# Altium PCB 400501.PcbDoc (part 2 of 4)
Units mm, origin at the board's own origin, x right, y up, seen from the top; angles counter-clockwise.
Board outline 53 x 53 mm, 4 copper layers (Top Layer, Mid-Layer 1, Mid-Layer 2, Bottom Layer), stack 1.518 mm thick; 236 components, 152 nets, 829 pads, 1158 vias.
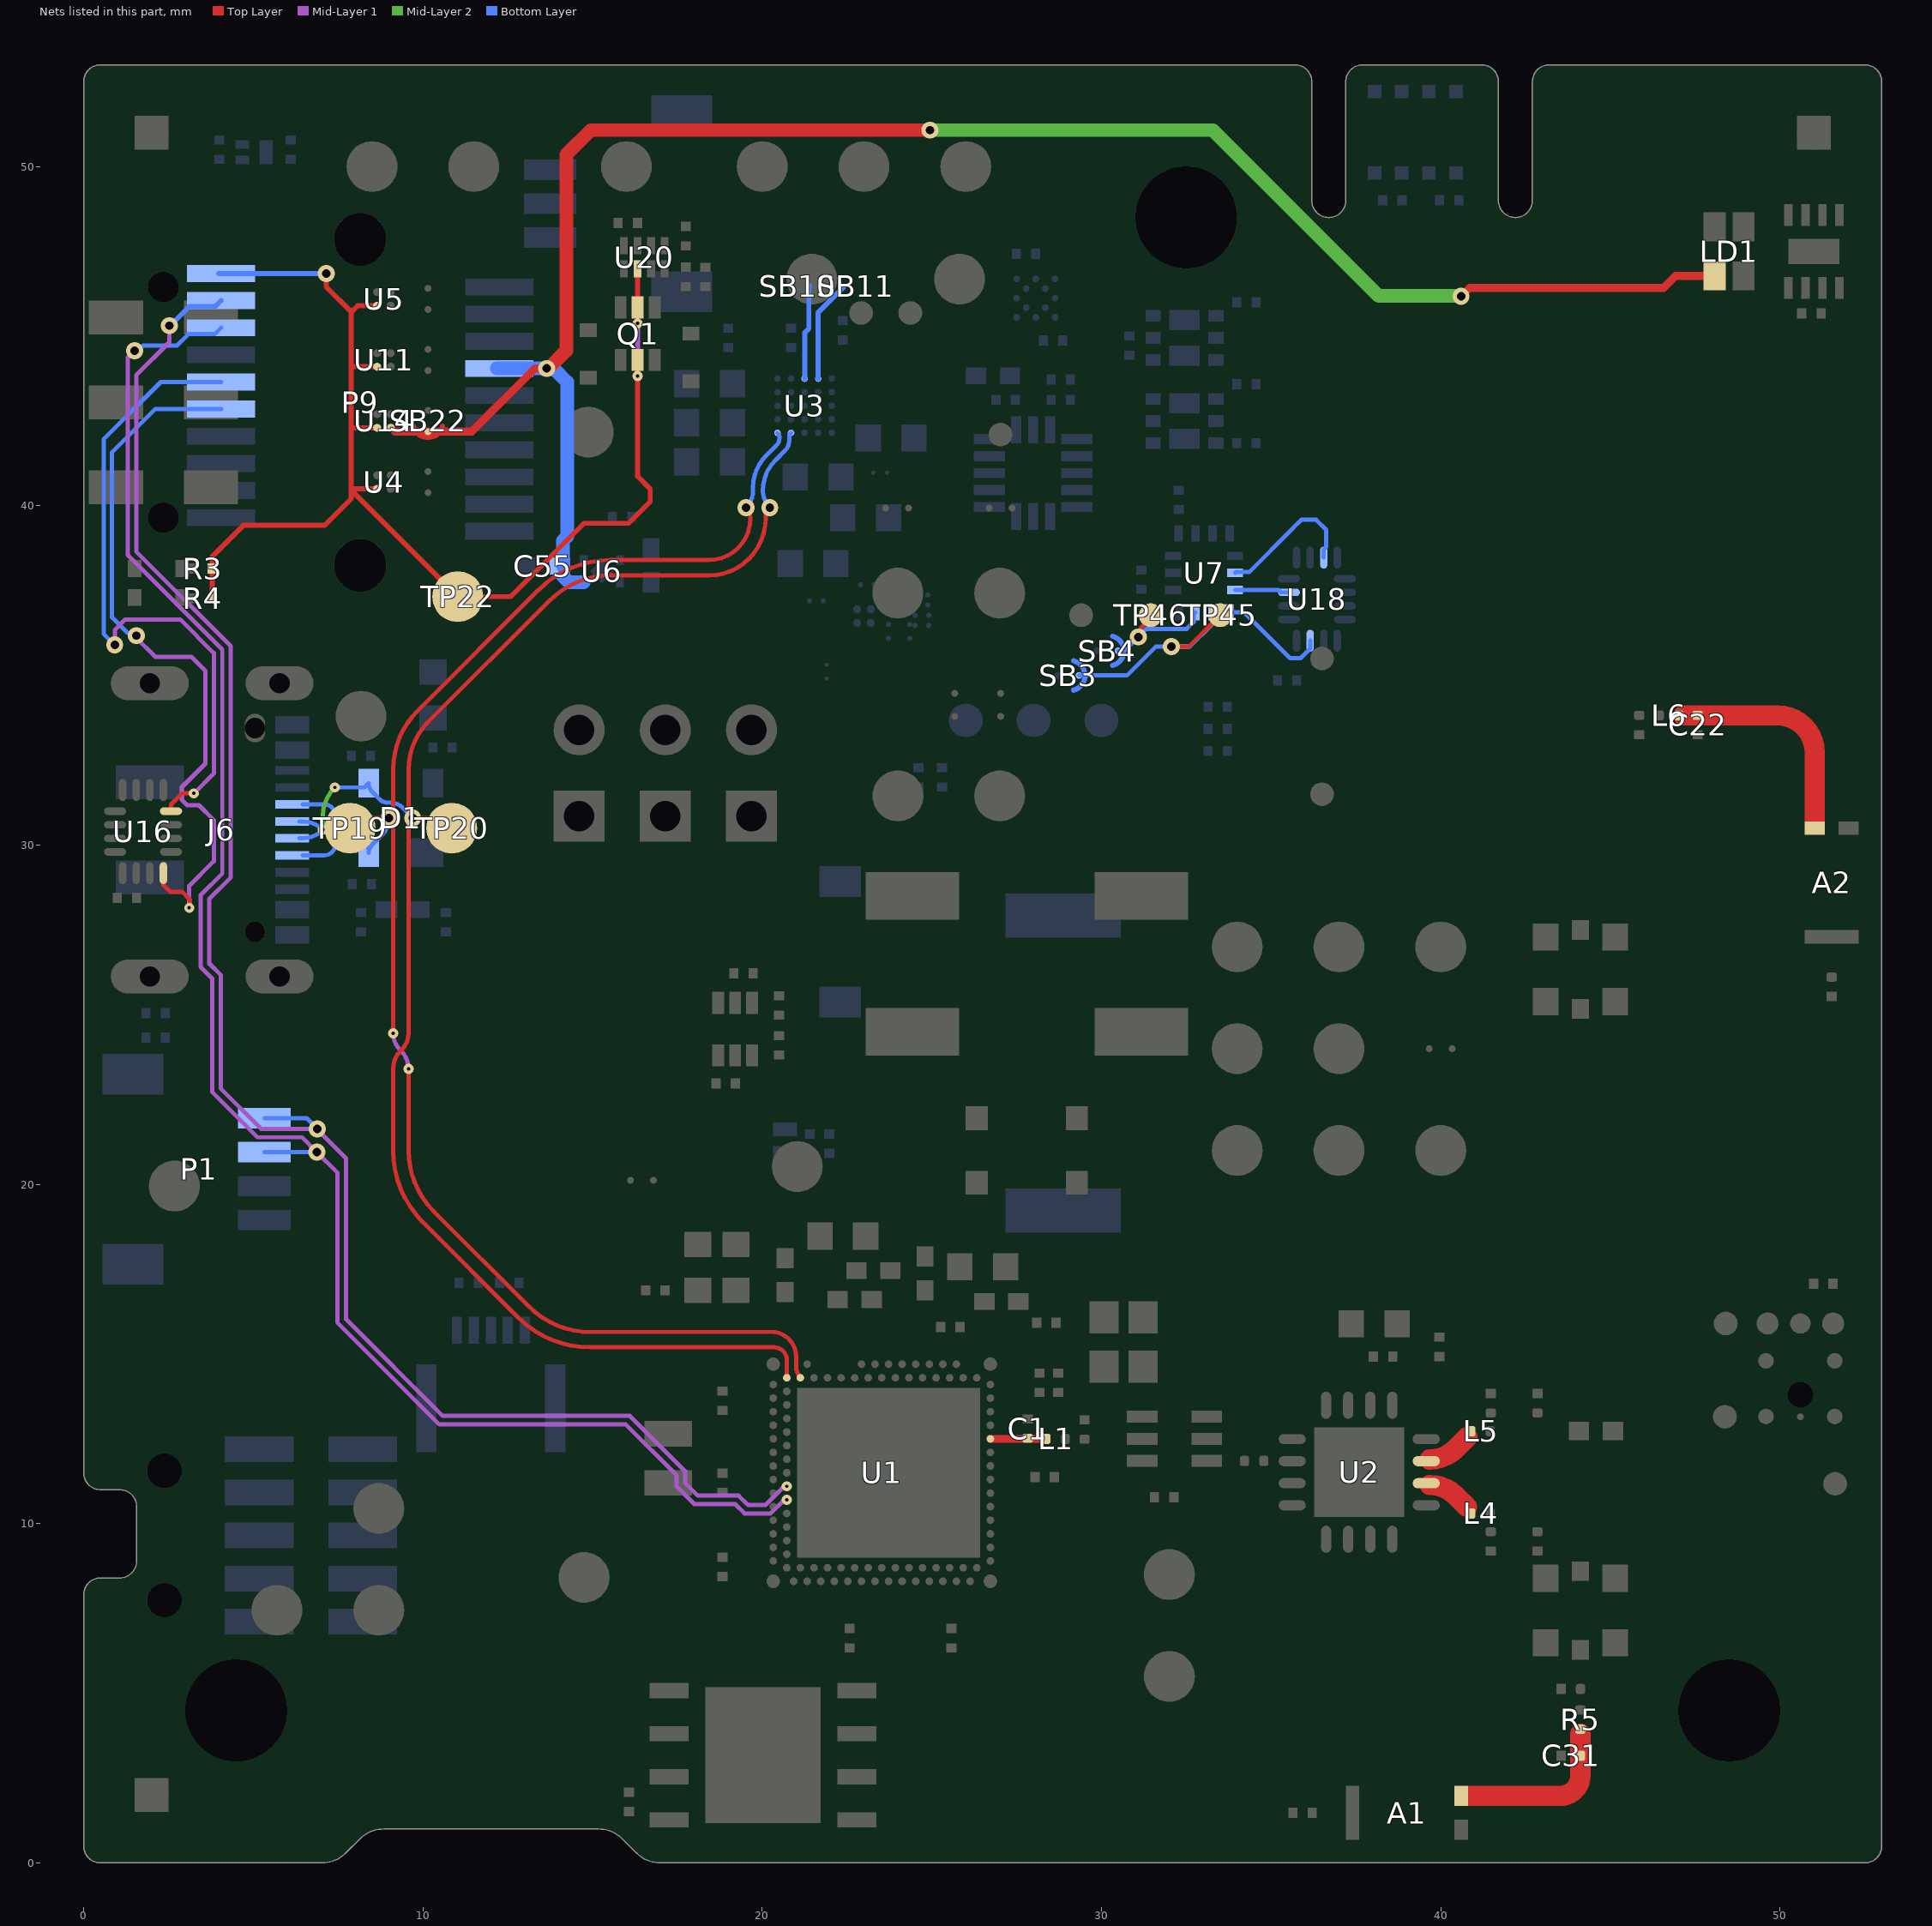
[diagram p4: the nets of this part, all layers, seen from the top]

## Part data
A1 A2: "2.4GHz Ceramic SMD Loop Antenna", Manufacturer=Taoglas, Part number IPS=N.A., Part number NEMS=100700063, Supplier Part Number 1=931-1077-1-ND, Artikkelnr Noca=N.A., Author=rsk, Component Class=Antennas, Component Status=Active, ComponentLink1Description=Datasheet, ComponentLink1URL=https://cdn3.taoglas.com/datasheets/WLA.01.pdf, ComponentLink2Description="Supplier link", ComponentLink2URL=https://www.digikey.com/product-detail/en/taoglas-limited/WLA-01/931-1077-1-ND/2332742, Footprint Doc=WLA.01, HelpURL=https://www.taoglas.com/product/wla-01-2-42-5ghz-ceramic-loop-antenna-3-21-60-5mm-linear-polarized/, LatestRevisionDate=2020-03-23, Manufacturer Part Number=WLA.01, Note=N.A., Pad Count=3, Part Number=WLA.01, Part number Norautron=N.A., PartId=100700063, Published=2020-03-23, Supplier 1=Digi-Key, Supplier 2=N.A., Supplier Part Number 2=N.A.
Bz1: library part PKMCS0909E4000-R1, "Piezo Buzzer, SMD, 9.0mm x 9.0mm x 1.9mm, 4kHz, 65dB @ 1.5V, <12.5Vp-p", Manufacturer=Murata, Part number IPS=N.A., Part number NEMS=101000026, Supplier Part Number 1=490-9647-1-ND, Artikkelnr Noca=N.A., Author=rsk, Component Class=Transducers, Component Status=Active, ComponentLink1Description=Datasheet, ComponentLink1URL=N.A., ComponentLink2Description="Supplier link", ComponentLink2URL=N.A., Footprint Doc=Buzzer_PKMCS0909, HelpURL=https://www.murata.com/en-global/products/productdetail.aspx?partno=PKMCS0909E4000-R1, LatestRevisionDate=2020-08-04, Manufacturer Part Number=PKMCS0909E4000-R1, Note="1.5 ~ 12.5V", Pad Count=2, Part Number=PKMCS0909E4000-R1, Part number Norautron=N.A., PartId=101000026, Published=2020-08-04, Supplier 1=Digi-Key, Supplier 2=Mouser, Supplier Part Number 2=81-PKMCS0909E4000-R1
C1: library part C0201-0.7p-50V-C0G-GJM0335C1HR70WB01, "Capacitor, Ceramic, C0G, ±0.05pF, 50V", Manufacturer=Murata, Manufacturer Part Number=GJM0335C1HR70WB01D, Part number IPS=N.A., Part number NEMS=100200011, Supplier Part Number 1=490-17145-1-ND, Artikkelnr Noca=N.A., Author=rsk, Component Class=Capacitors, Component Status=Active, ComponentLink1Description=Datasheet, ComponentLink1URL=https://search.murata.co.jp/Ceramy/image/img/A01X/G101/ENG/GJM0335C1HR70WB01-01.pdf, ComponentLink2Description="Supplier link", ComponentLink2URL=https://www.murata.com/en-global/products/productdetail?partno=GJM0335C1HR70WB01%23, Footprint Doc=0201, HelpURL=N.A., LatestRevisionDate=2023-03-27, Note=50V, Pad Count=2, Part Number=C0201-0.7p-50V-C0G-GJM0335C1HR70WB01, Part number Norautron=N.A., PartId=100200011, Published=2014-11-13, Supplier 1=Digi-Key, Supplier 2=Mouser, Supplier Part Number 2=81-GJM0335C1HR70WB1D
C2 C3 C5 C7 C16 C33 C54 C55: library part C0402-1µ0-25V-X5R, "Capacitor, Ceramic, X5R, ±10%, 25V", Manufacturer=Murata, Manufacturer Part Number=GRM155R61E105KA12D, Part number IPS=N.A., Part number NEMS=100200453, Supplier Part Number 1=490-10017-1-ND, Artikkelnr Noca=N.A., Author=rsk, Component Class=Capacitors, Component Status=Active, ComponentLink1Description=Datasheet, ComponentLink1URL=https://search.murata.co.jp/Ceramy/image/img/A01X/G101/ENG/GRM155R61E105KA12-01.pdf, ComponentLink2Description="Supplier link", ComponentLink2URL=https://www.murata.com/en-global/products/productdetail?partno=GRM155R61E105KA12%23, Footprint Doc=0402, HelpURL=N.A., LatestRevisionDate=2020-12-16, Note=25V, Pad Count=2, Part Number=C0402-1µ0-25V-X5R, Part number Norautron=N.A., PartId=100200453, Published=2020-12-16, Supplier 1=Digi-Key, Supplier 2=Mouser, Supplier Part Number 2=81-GRM155R61E105KA2D
C4: library part C0201-2n2-10V-X5R, "Capacitor, Ceramic, X5R, ±10%, 10V", Manufacturer=Murata, Manufacturer Part Number=GRM033R61A222KA01D, Part number IPS=N.A., Part number NEMS=100200455, Supplier Part Number 1=490-3162-1-ND, Artikkelnr Noca=N.A., Author=rsk, Component Class=Capacitors, Component Status=Active, ComponentLink1Description=Datasheet, ComponentLink1URL=https://search.murata.co.jp/Ceramy/image/img/A01X/G101/ENG/GRM033R61A222KA01-01.pdf, ComponentLink2Description="Supplier link", ComponentLink2URL=https://www.murata.com/en-global/products/productdetail?partno=GRM033R61A222KA01%23, Footprint Doc=0201, HelpURL=N.A., LatestRevisionDate=2020-12-16, Note=10V, Pad Count=2, Part Number=C0201-2n2-10V-X5R, Part number Norautron=N.A., PartId=100200455, Published=2020-12-16, Supplier 1=Digi-Key, Supplier 2=Mouser, Supplier Part Number 2=81-GRM033R61A222KA1D
C6 C8 C9 C10 C11 C12 C13 C14 C15 C19 C23 C36 C37 C38 C39 C40 C41 C42 C49 C50 C51 C52 C60: library part C0201-100n-6.3V-X5R, "Capacitor, Ceramic, X5R, ±10%, 6.3V", Manufacturer=Murata, Manufacturer Part Number=GRM033R60J104KE19D, Part number IPS=N.A., Part number NEMS=100200451, Supplier Part Number 1=490-3167-1-ND, Artikkelnr Noca=N.A., Author=rsk, Component Class=Capacitors, Component Status=Active, ComponentLink1Description=Datasheet, ComponentLink1URL=https://search.murata.co.jp/Ceramy/image/img/A01X/G101/ENG/GRM033R60J104KE19-01.pdf, ComponentLink2Description="Supplier link", ComponentLink2URL=https://www.murata.com/en-eu/products/productdetail?partno=GRM033R60J104KE19%23, Footprint Doc=0201, HelpURL=N.A., LatestRevisionDate=2020-12-15, Note=6.3V, Pad Count=2, Part Number=C0201-100n-6.3V-X5R, Part number Norautron=N.A., PartId=100200451, Published=2020-12-15, Supplier 1=Digi-Key, Supplier 2=N.A., Supplier Part Number 2=N.A.
C17 C18 C45 C46: library part C0603-4µ7-25V-X5R, "Capacitor, X5R, ±10%, 25V", Manufacturer=Murata, Manufacturer Part Number=GRM188R61E475KE11D, Part number IPS=N.A., Part number NEMS=100200352, Supplier Part Number 1=490-7203-1-ND, Artikkelnr Noca=N.A., Author=rsk, Component Class=Capacitors, Component Status=Active, ComponentLink1Description=Datasheet, ComponentLink1URL=https://www.murata.com/~/media/webrenewal/support/library/catalog/products/capacitor/mlcc/c02e.ashx?la=en-us, ComponentLink2Description="Supplier link", ComponentLink2URL=https://www.digikey.com/product-detail/en/murata-electronics-north-america/GRM188R61E475KE11D/490-7203-1-ND/3900450, Footprint Doc=0603, HelpURL=https://www.murata.com/~/media/webrenewal/support/library/catalog/products/capacitor/mlcc/c02e.ashx?la=en-us, LatestRevisionDate=2019-06-11, Note=25V, Pad Count=2, Part Number=C0603-4µ7-25V-X5R, Part number Norautron=N.A., PartId=100200352, Published=2019-06-11, Supplier 1=Digi-Key, Supplier 2=N.A., Supplier Part Number 2=N.A.
C20: library part C0201-1.5p-25V-NP0-GJM0335C1E1R5WB01, "Capacitor, NP0, ±0.05pF, 25V, High Q", Manufacturer=Murata, Manufacturer Part Number=GJM0335C1E1R5WB01, Part number IPS=N.A., Part number NEMS=100200477, Supplier Part Number 1=490-11176-2-ND, Artikkelnr Noca=N.A., Author=masi, Component Class=Capacitors, Component Status=Active, ComponentLink1Description=Datasheet, ComponentLink1URL=https://search.murata.co.jp/Ceramy/image/img/A01X/G101/ENG/GJM0335C1E1R5WB01-01.pdf, ComponentLink2Description="Supplier link", ComponentLink2URL=N.A., Footprint Doc=0201, HelpURL=https://www.murata.com/products/productdetail?partno=GJM0335C1E1R5WB01%23, LatestRevisionDate=2021-06-15, Note=25V, Pad Count=2, Part Number=C0201-1.5p-25V-NP0-GJM0335C1E1R5WB01, Part number Norautron=N.A., PartId=100200477, Published=2021-06-15, Supplier 1=Digi-Key, Supplier 2=Mouser, Supplier Part Number 2=81-GJM0335C1E1R5WB1D
C21 C22 C28 C29: library part C0201-N.C., "Not mounted", Manufacturer=N.A., Part number NEMS=100200001, Artikkelnr Noca=N.A., Assembly="Not mounted", Author=rsk, Component Class=Capacitors, Component Status=Active, ComponentLink1Description=Datasheet, ComponentLink1URL=N.A., ComponentLink2Description="Supplier link", ComponentLink2URL=N.A., Footprint Doc=0201, HelpURL=N.A., LatestRevisionDate=2014-11-13, Manufacturer Part Number=N.A., Note="Chip Cap", Pad Count=2, Part Number=C0201-N.C., Part number IPS=N.A., Part number Norautron=N.A., PartId=100200001, Published=2014-11-13, Supplier 1=N.A., Supplier 2=N.A., Supplier Part Number 1=N.A., Supplier Part Number 2=N.A.
C24 C35 C47 C48 C53: library part C0603-10µ-25V-X5R-GRM188R61E106MA73J, "Capacitor, Ceramic, X5R, ±20%, 25V", Manufacturer=Murata, Manufacturer Part Number=GRM188R61E106MA73J, Part number IPS=N.A., Part number NEMS=100200456, Supplier Part Number 1=490-12737-1-ND, Artikkelnr Noca=N.A., Author=rsk, Component Class=Capacitors, Component Status=Active, ComponentLink1Description=Datasheet, ComponentLink1URL=https://search.murata.co.jp/Ceramy/image/img/A01X/G101/ENG/GRM188R61E106MA73-01.pdf, ComponentLink2Description="Supplier link", ComponentLink2URL=https://www.murata.com/en-global/products/productdetail?partno=GRM188R61E106MA73%23, Footprint Doc=0603, HelpURL=N.A., LatestRevisionDate=2021-07-22, Note=25V, Pad Count=2, Part Number=C0603-10µ-25V-X5R-GRM188R61E106MA73J, Part number Norautron=N.A., PartId=100200456, Published=2020-12-16, Supplier 1=Digi-Key, Supplier 2=Mouser, Supplier Part Number 2=81-GRM188R61E106MA3J
C25: library part C0201-1p0, "Capacitor, C0G, ±0.1pF, 25V", Manufacturer=Murata, Manufacturer Part Number=GJM0335C1E1R0BB01D, Part number IPS=00000007964, Part number NEMS=100200398, Part number Norautron=N.A., Supplier Part Number 1=490-11172-1-ND, Artikkelnr Noca=N.A., Author=rsk, Component Class=Capacitors, Component Status=Active, ComponentLink1Description=Datasheet, ComponentLink1URL=N.A., ComponentLink2Description="Supplier link", ComponentLink2URL=N.A., Footprint Doc=0201, HelpURL=http://search.murata.co.jp/Ceramy/image/img/A01X/G101/ENG/GJM0335C1E1R0BB01-01.pdf, LatestRevisionDate=2020-10-13, Note=±0.1pF, Pad Count=2, Part Number=C0201-1p0, PartId=100200398, Published=2017-09-21, Supplier 1=Digi-Key, Supplier 2=N.A., Supplier Part Number 2=N.A.
C26 C27: library part C0201-1.2p-HQ-Murata, "Capacitor, NP0, ±0.05pF, 50V", Manufacturer=Murata, Manufacturer Part Number=GJM0335C1H1R2WB01D, Part number IPS=N.A., Part number NEMS=100200457, Supplier Part Number 1=490-GJM0335C1H1R2WB01DCT-ND, Artikkelnr Noca=N.A., Author=rsk, Component Class=Capacitors, Component Status=Active, ComponentLink1Description=Datasheet, ComponentLink1URL=https://search.murata.co.jp/Ceramy/image/img/A01X/G101/ENG/GJM0335C1H1R2WB01-01.pdf, ComponentLink2Description="Supplier link", ComponentLink2URL=https://www.murata.com/en-global/products/productdetail?partno=GJM0335C1H1R2WB01%23, Footprint Doc=0201, HelpURL=N.A., LatestRevisionDate=2020-12-16, Note=50V, Pad Count=2, Part Number=C0201-1.2p-HQ-Murata, Part number Norautron=N.A., PartId=100200457, Published=2020-12-16, Supplier 1=Digi-Key, Supplier 2=Mouser, Supplier Part Number 2=81-GJM0335C1H1R2WB1D
C30: library part C0201-6.8p-HQ-Murata, "Capacitor, NP0, ±0.1pF, 25V", Manufacturer=Murata, Manufacturer Part Number=GJM0335C1E6R8BB01, Part number IPS=N.A., Part number NEMS=100200463, Supplier Part Number 1=490-11183-1-ND, Artikkelnr Noca=N.A., Author=rubr, Component Class=Capacitors, Component Status=Active, ComponentLink1Description=Datasheet, ComponentLink1URL=N.A., ComponentLink2Description="Supplier link", ComponentLink2URL=N.A., Footprint Doc=0201, HelpURL=https://psearch.en.murata.com/capacitor/product/GJM0335C1E6R8BB01%23.html, LatestRevisionDate=2021-02-16, Note=25V, Pad Count=2, Part Number=C0201-6.8p-HQ-Murata, Part number Norautron=N.A., PartId=100200463, Published=2021-02-16, Supplier 1=Digi-Key, Supplier 2=N.A., Supplier Part Number 2=N.A.
C31: library part C0201-1.8p-HQ-Murata, "Capacitor, NP0, ±0.1pF, 25V", Manufacturer=Murata, Manufacturer Part Number=GJM0335C1E1R8BB01, Part number IPS=N.A., Part number NEMS=100200461, Supplier Part Number 1=490-8581-1-ND, Artikkelnr Noca=N.A., Author=rubr, Component Class=Capacitors, Component Status=Active, ComponentLink1Description=Datasheet, ComponentLink1URL=N.A., ComponentLink2Description="Supplier link", ComponentLink2URL=N.A., Footprint Doc=0201, HelpURL=https://psearch.en.murata.com/capacitor/product/GJM0335C1E1R8BB01%23.html, LatestRevisionDate=2021-02-16, Note=25V, Pad Count=2, Part Number=C0201-1.8p-HQ-Murata, Part number Norautron=N.A., PartId=100200461, Published=2021-02-16, Supplier 1=Digi-Key, Supplier 2=N.A., Supplier Part Number 2=N.A.
C32: library part C0201-9.5p-50V-NP0-GJM0335C1H9R5WB01, "Capacitor, NP0, ±0.05pF, 50V, High Q", Manufacturer=Murata, Manufacturer Part Number=GJM0335C1H9R5WB01, Part number IPS=N.A., Part number NEMS=100200476, Artikkelnr Noca=N.A., Author=masi, Component Class=Capacitors, Component Status=Active, ComponentLink1Description=Datasheet, ComponentLink1URL=https://no.mouser.com/datasheet/2/281/GJM0335C1H9R5WB01_01-1971631.pdf, ComponentLink2Description="Supplier link", ComponentLink2URL=N.A., Footprint Doc=0201, HelpURL=https://www.murata.com/en-eu/products/productdetail?partno=GJM0335C1H9R5WB01%23, LatestRevisionDate=2021-06-11, Note=50V, Pad Count=2, Part Number=C0201-9.5p-50V-NP0-GJM0335C1H9R5WB01, Part number Norautron=N.A., PartId=100200476, Published=2021-06-11, Supplier 1=N.A., Supplier 2=Mouser, Supplier Part Number 1=N.A., Supplier Part Number 2=81-GJM0335C1H9R5WB1D
C34: library part C0603-2µ2-25V-X5R-GRM188R61E225KA12D, "Capacitor, Ceramic, X5R, ±10%, 25V", Manufacturer=Murata, Manufacturer Part Number=GRM188R61E225KA12D, Part number IPS=N.A., Part number NEMS=100200454, Supplier Part Number 1=490-10731-1-ND, Artikkelnr Noca=N.A., Author=rsk, Component Class=Capacitors, Component Status=Active, ComponentLink1Description=Datasheet, ComponentLink1URL=https://search.murata.co.jp/Ceramy/image/img/A01X/G101/ENG/GRM188R61E225KA12-01.pdf, ComponentLink2Description="Supplier link", ComponentLink2URL=https://www.murata.com/en-global/products/productdetail?partno=GRM188R61E225KA12%23, Footprint Doc=0603, HelpURL=N.A., LatestRevisionDate=2021-07-22, Note=25V, Pad Count=2, Part Number=C0603-2µ2-25V-X5R-GRM188R61E225KA12D, Part number Norautron=N.A., PartId=100200454, Published=2020-12-16, Supplier 1=Digi-Key, Supplier 2=Mouser, Supplier Part Number 2=81-GRM188R61E225KA2D
C43: library part C0201-10n-25V-X5R, "Capacitor, Ceramic, X5R, ±10%, 25V", Manufacturer=Murata, Manufacturer Part Number=GRM033R61E103KA12D, Part number IPS=N.A., Part number NEMS=100200458, Supplier Part Number 1=490-7194-1-ND, Artikkelnr Noca=N.A., Author=rsk, Component Class=Capacitors, Component Status=Active, ComponentLink1Description=Datasheet, ComponentLink1URL=https://search.murata.co.jp/Ceramy/image/img/A01X/G101/ENG/GRM033R61E103KA12-01.pdf, ComponentLink2Description="Supplier link", ComponentLink2URL=https://www.murata.com/en-global/products/productdetail?partno=GRM033R61E103KA12%23, Footprint Doc=0201, HelpURL=N.A., LatestRevisionDate=2020-12-16, Note=25V, Pad Count=2, Part Number=C0201-10n-25V-X5R, Part number Norautron=N.A., PartId=100200458, Published=2020-12-16, Supplier 1=Digi-Key, Supplier 2=Mouser, Supplier Part Number 2=81-GRM033R61E103KA2D
C44 C58: library part C0201-100n-25V-X5R, "Capacitor, Ceramic, X5R, ±10%, 25V", Manufacturer=Murata, Manufacturer Part Number=GRM033R61E104KE14J, Part number IPS=N.A., Part number NEMS=100200459, Supplier Part Number 1=490-14571-1-ND, Artikkelnr Noca=N.A., Author=rsk, Component Class=Capacitors, Component Status=Active, ComponentLink1Description=Datasheet, ComponentLink1URL=https://search.murata.co.jp/Ceramy/image/img/A01X/G101/ENG/GRM033R61E104KE14-01.pdf, ComponentLink2Description="Supplier link", ComponentLink2URL=https://www.murata.com/en-global/products/productdetail?partno=GRM033R61E104KE14%23, Footprint Doc=0201, HelpURL=N.A., LatestRevisionDate=2020-12-16, Note=25V, Pad Count=2, Part Number=C0201-100n-25V-X5R, Part number Norautron=N.A., PartId=100200459, Published=2020-12-16, Supplier 1=Digi-Key, Supplier 2=Mouser, Supplier Part Number 2=81-GRM033R61E104KE4J
C56 C57: library part C0201-390p, "Capacitor, NP0, ±5%, 25V", Manufacturer=N.A., Manufacturer Part Number=GRM0335C1E391JA01D, Part number NEMS=100200051, Supplier Part Number 1=490-16371-1-ND, Artikkelnr Noca=N.A., Author=rsk, Component Class=Capacitors, Component Status=Active, ComponentLink1Description=Datasheet, ComponentLink1URL=https://search.murata.co.jp/Ceramy/image/img/A01X/G101/ENG/GRM0335C1E391JA01-01.pdf, ComponentLink2Description="Supplier link", ComponentLink2URL=https://www.digikey.com/en/products/detail/murata-electronics/GRM0335C1E391JA01D/7363115, Footprint Doc=0201, HelpURL=https://www.murata.com/en-global/products/productdetail?partno=GRM0335C1E391JA01%23, LatestRevisionDate=2021-04-27, Note=25V, Pad Count=2, Part Number=C0201-390p, Part number IPS=N.A., Part number Norautron=N.A., PartId=100200051, Published=2014-11-13, Supplier 1=Digi-Key, Supplier 2=Mouser, Supplier Part Number 2=81-GRM0335C1E391JA1D
C59: library part C0201-4n7-25V-X5R, "Capacitor, Ceramic, X5R, ±10%, 25V", Manufacturer=Murata, Manufacturer Part Number=GRM033R61E472KA12D, Part number IPS=N.A., Part number NEMS=100200460, Supplier Part Number 1=490-9993-1-ND, Artikkelnr Noca=N.A., Author=rsk, Component Class=Capacitors, Component Status=Active, ComponentLink1Description=Datasheet, ComponentLink1URL=https://search.murata.co.jp/Ceramy/image/img/A01X/G101/ENG/GRM033R61E472KA12-01.pdf, ComponentLink2Description="Supplier link", ComponentLink2URL=https://www.murata.com/en-global/products/productdetail?partno=GRM033R61E472KA12%23, Footprint Doc=0201, HelpURL=N.A., LatestRevisionDate=2020-12-18, Note=25V, Pad Count=2, Part Number=C0201-4n7-25V-X5R, Part number Norautron=N.A., PartId=100200460, Published=2020-12-16, Supplier 1=Digi-Key, Supplier 2=Mouser, Supplier Part Number 2=81-GRM33R61E472KA12D
C61: library part C0201-100n, "Capacitor, X5R, ±10%", Manufacturer=N.A., Part number IPS="00000001248, 00000002505", Part number NEMS=100200078, Part number Norautron=262071862, Artikkelnr Noca=N.A., Author=rsk, Component Class=Capacitors, Component Status=Active, ComponentLink1Description=Datasheet, ComponentLink1URL=N.A., ComponentLink2Description="Supplier link", ComponentLink2URL=N.A., Footprint Doc=0201, HelpURL=N.A., LatestRevisionDate=2017-11-09, Manufacturer Part Number=N.A., Note=16V, Pad Count=2, Part Number=C0201-100n, PartId=100200078, Published=2014-11-13, Supplier 1=N.A., Supplier 2=N.A., Supplier Part Number 1=N.A., Supplier Part Number 2=N.A.
C62: library part C0201-2n2, "Capacitor, X7R, ±10%, 10V", Manufacturer=N.A., Part number IPS=00000001778, Part number NEMS=100200060, Part number Norautron=26470002, Artikkelnr Noca=N.A., Author=rsk, Component Class=Capacitors, Component Status=Active, ComponentLink1Description=Datasheet, ComponentLink1URL=N.A., ComponentLink2Description="Supplier link", ComponentLink2URL=N.A., Footprint Doc=0201, HelpURL=N.A., LatestRevisionDate=2014-11-13, Manufacturer Part Number=N.A., Note=10V, Pad Count=2, Part Number=C0201-2n2, PartId=100200060, Published=2014-11-13, Supplier 1=N.A., Supplier 2=N.A., Supplier Part Number 1=N.A., Supplier Part Number 2=N.A.
D1: "Ultra low capacitance double rail-to-rail ESD protection diode", Manufacturer="NXP Semiconductors", Part number IPS=00000009951, Part number NEMS=101300082, Part number Norautron=26313940, Supplier Part Number 1=568-4140-1-ND, Artikkelnr Noca=10069015, Author=rsk, Component Class=Semiconductors, Component Status=Active, ComponentLink1Description=Datasheet, ComponentLink1URL=N.A., ComponentLink2Description="Supplier link", ComponentLink2URL=N.A., Footprint Doc=SOT-143B, HelpURL=http://www.farnell.com/datasheets/109718.pdf, LatestRevisionDate=2017-11-09, Manufacturer Part Number=PRTR5V0U2X, Note=N.A., Pad Count=4, Part Number=PRTR5V0U2X, PartId=101300082, Published=2012-06-11, Supplier 1=Digi-Key, Supplier 2=Farnell, Supplier Part Number 2=152-4157
D2: "1N4148, Small Signal Fast Switching Diode", Manufacturer=Vishay, Manufacturer Part Number=1N4148W-E3-08, Part number IPS=00000001783, Part number NEMS=101300078, Part number Norautron=N.A., Supplier Part Number 1=237-7282, Artikkelnr Noca=N.A., Author=rsk, Component Class=Semiconductors, Component Status=Active, ComponentLink1Description=Datasheet, ComponentLink1URL=N.A., ComponentLink2Description="Supplier link", ComponentLink2URL=N.A., Footprint Doc=SOD-123, HelpURL=http://www.vishay.com/docs/85748/1n4148w.pdf, LatestRevisionDate=2016-01-12, Note="Small Signal Fast Switching Diode", Pad Count=2, Part Number=1N4148W, PartId=101300078, Published=2011-04-21, Supplier 1=Farnell, Supplier 2=Digi-Key, Supplier Part Number 2=1N4148W-E3-08CT-ND
D3 D4 D5 D6: "Low-leakage diode, Diode gen. purpose, Vf=1.25 V @ 150 mA, Ir=5.0 nA @ 75 V, If=200 mA", Manufacturer=Nexperia, Part number IPS=N.A., Part number NEMS=101300193, Supplier Part Number 1=1727-4813-1-ND, Artikkelnr Noca=N.A., Author=rubr, Component Class=Semiconductors, Component Status=Active, ComponentLink1Description=Datasheet, ComponentLink1URL=https://assets.nexperia.com/documents/data-sheet/BAS716.pdf, ComponentLink2Description="Supplier link", ComponentLink2URL=https://www.digikey.com/en/products/detail/nexperia-usa-inc/BAS716-115/1232107, Footprint Doc=SOD-523, HelpURL=https://www.nexperia.com/products/diodes/automotive-diodes/automotive-switching-diodes/automotive-low-leakage-current-switching-diodes/BAS716.html, LatestRevisionDate=2022-08-23, Manufacturer Part Number=BAS716, Note=N.A., Pad Count=2, Part Number=BAS716, Part number Norautron=N.A., PartId=101300193, Published=2022-08-23, Supplier 1=Digi-Key, Supplier 2=Mouser, Supplier Part Number 2=771-BAS716-T/R